# KiCad board MatrixBuddyPCB.kicad_pcb
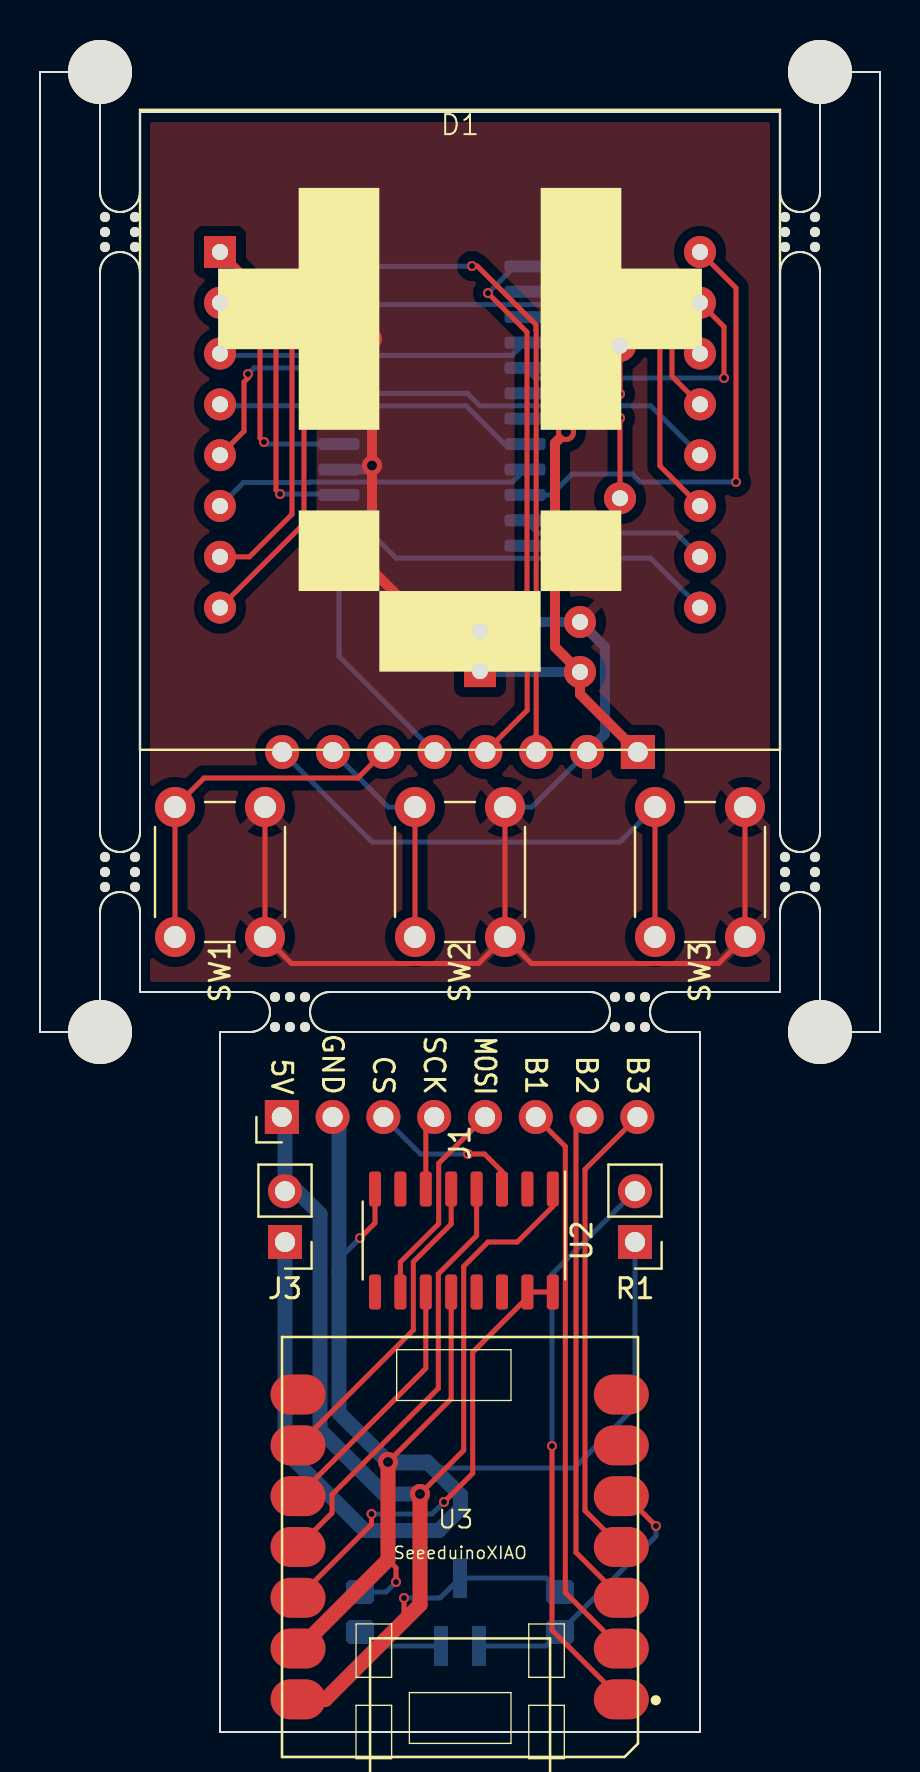
[diagram p0: board, top side]
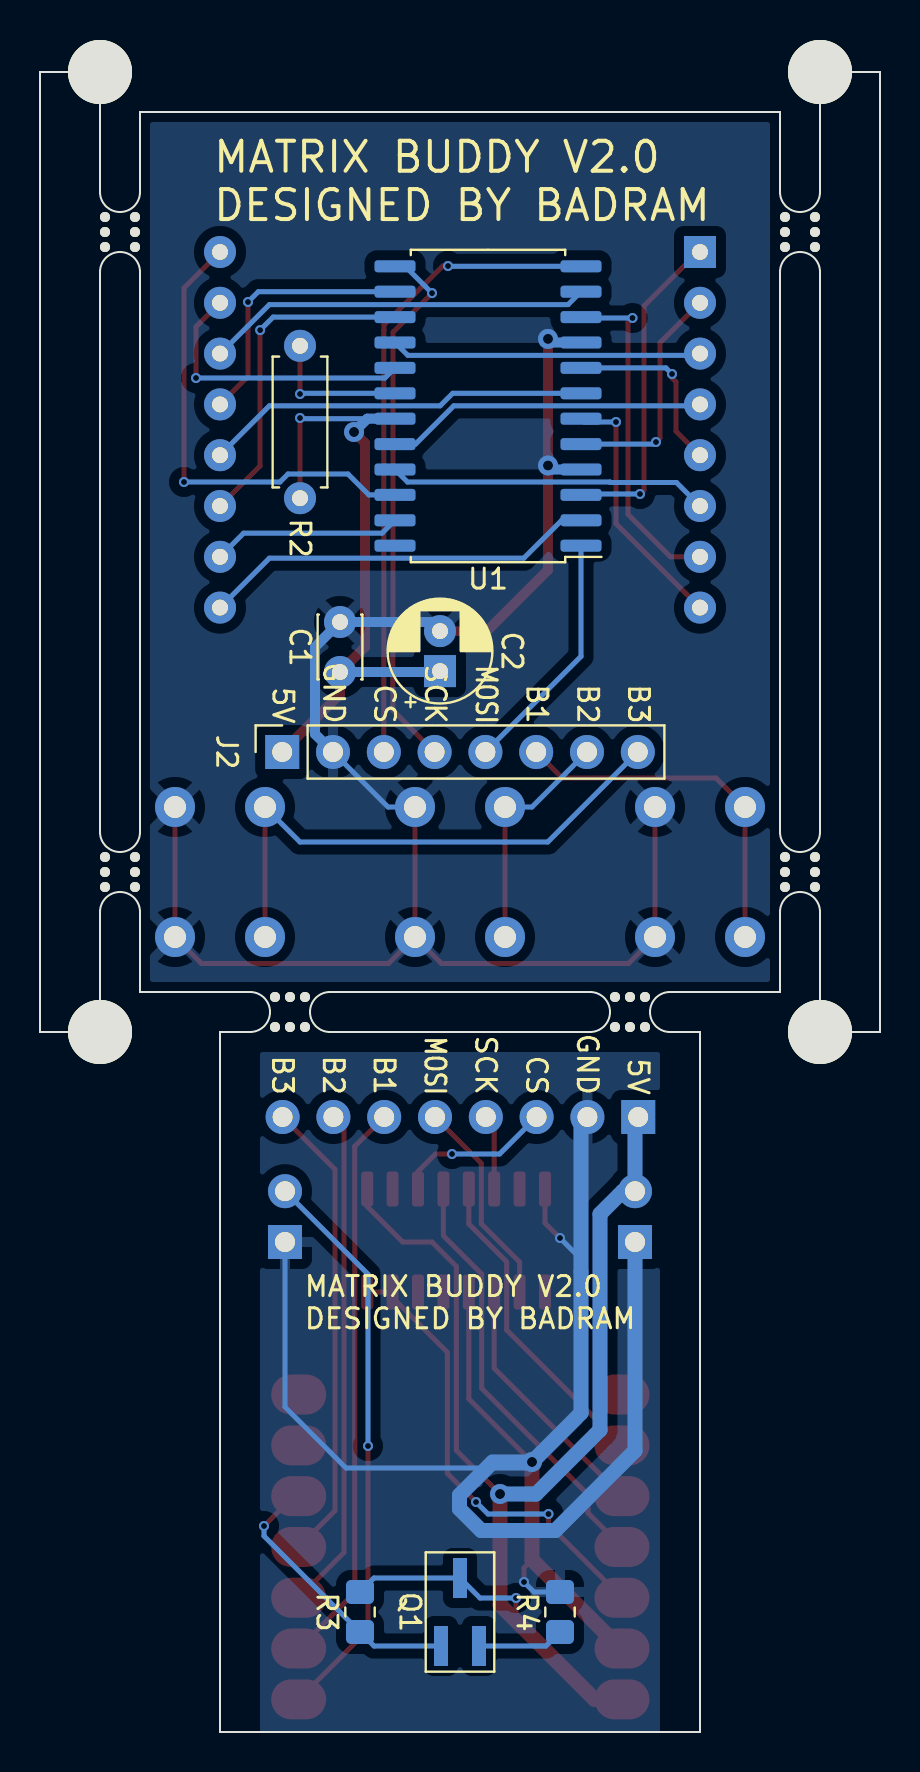
[diagram p1: board, bottom side, seen from below]

Outline 42 x 83 mm; copper layers: Top, Bottom. Coordinates in mm from the lower left corner of the outline.
Outline path: 0,83 0,35 3,35 3,41 arc(4,42) 5,41 5,37 10.5,37 arc(11.5,36) 10.5,35 9,35 9,0 33,0 33,35 31.5,35 arc(30.5,36) 31.5,37 37,37 37,41 arc(38,42) 39,41 39,35 42,35 42,83 39,83 39,77 arc(38,76) 37,77 37,81 5,81 5,77 arc(4,76) 3,77 3,83 0,83 ; 3,73 3,45 arc(4,44) 5,45 5,73 arc(4,74) 3,73 ; 14.5,35 arc(13.5,36) 14.5,37 27.5,37 arc(28.5,36) 27.5,35 14.5,35 ; 37,73 37,45 arc(38,44) 39,45 39,73 arc(38,74) 37,73
Stack: Top 0.035mm / dielectric 1.51mm FR4 er 4.5 / Bottom 0.035mm

## Placement (name value [footprint] x y rotation side)
C1  0.1uF  [C_Disc_D3.0mm_W2.0mm_P2.50mm]  27 53 90 bottom
C2  10uF  [CP_Radial_D5.0mm_P2.00mm]  22 53.04 90 bottom
D1  ~  [8x8 LED Matrix]  21 65.11 0 top
G***  -  [LOGO]  21 65.11 0 top
J1  Conn_01x08_Pin  [PinHeader_1x08_P2.54mm_Horizontal]  12.09 30.75 90 top
J2  Conn_01x08_Socket  [PinSocket_1x08_P2.54mm_Vertical]  21 49 90 bottom
J3  BATT Connector  [PinHeader_1x02_P2.54mm_Vertical]  12.25 24.5 180 top
mouse-bite-2mm-slot  VAL**  [mouse-bite-2mm-slot]  4 75 90 top
mouse-bite-2mm-slot#2  VAL**  [mouse-bite-2mm-slot]  12.5 36 180 top
mouse-bite-2mm-slot#3  VAL**  [mouse-bite-2mm-slot]  38 43 90 top
mouse-bite-2mm-slot#4  VAL**  [mouse-bite-2mm-slot]  4 43 90 top
mouse-bite-2mm-slot#5  VAL**  [mouse-bite-2mm-slot]  38 75 90 top
mouse-bite-2mm-slot#6  VAL**  [mouse-bite-2mm-slot]  29.5 36 180 top
Q1  Q_PMOS_GSD  [SOT-23W_Handsoldering]  21 6 90 bottom
R1  R_Photo  [PinHeader_1x02_P2.54mm_Vertical]  29.75 24.5 180 top
R2  47K  [R_Axial_DIN0207_L6.3mm_D2.5mm_P7.62mm_Horizontal]  29 61.69 90 bottom
R3  100k  [R_0805_2012Metric_Pad1.20x1.40mm_HandSolder]  26 6 90 bottom
R4  22  [R_0805_2012Metric_Pad1.20x1.40mm_HandSolder]  16 6 90 bottom
REF**  -  [MountingHole_3.2mm_M3]  3 35 0 top
REF**#2  -  [MountingHole_3.2mm_M3]  39 83 0 top
REF**#3  -  [Tab]  31 -0.5 90 top
REF**#4  -  [Tab]  11 -0.5 90 top
REF**#5  -  [Tab]  31 81.5 270 top
REF**#6  -  [Tab]  11 81.5 270 top
REF**#7  -  [MountingHole_3.2mm_M3]  39 35 0 top
REF**#8  -  [MountingHole_3.2mm_M3]  3 83 0 top
SW1  SW_Push  [SW_PUSH_6mm]  6.75 39.75 90 top
SW2  SW_Push  [SW_PUSH_6mm]  18.75 39.75 90 top
SW3  SW_Push  [SW_PUSH_6mm]  30.75 39.75 90 top
U1  MAX7221xWG  [SOIC-24W_7.5x15.4mm_P1.27mm]  19.6 66.3 0 bottom
U2  4104  [SO-16_3.9x9.9mm_P1.27mm]  21.19 24.58 270 top
U3  SeeeduinoXIAO  [Seeeduino XIAO-MOUDLE NO-BOTTOM-CONNECTIONS]  21 19.75 180 top

## Library data of the parts
C1 = -: Description: Unpolarized capacitor
C2 = -: Description: Polarized capacitor
J1 J2 = -: Description: Generic connector, single row, 01x08, script generated
J3 = -: Description: Generic connector, single row, 01x02, script generated
Q1 = -: Description: P-MOSFET transistor, gate/source/drain
R1 = -: Description: Photoresistor
R2-R4 = -: Description: Resistor, US symbol
SW1-SW3 = -: Description: Push button switch, generic, two pins
U1 = -: Description: Serially Interfaced, 8-Digit LED Display Driver, SOIC-24W

## Footprints (pads in the part's own frame, mm; a bottom-side part is the same pattern mirrored in y, then rotated)
8x8 LED Matrix
  rect 1.6x1.6 hole 0.8: 1(-12,8.89)
  oval 1.6x1.6 hole 0.8: 2(-12,6.35) 3(-12,3.81) 4(-12,1.27) 5(-12,-1.27) 6(-12,-3.81) 7(-12,-6.35) 8(-12,-8.89) 9(12,-8.89) 10(12,-6.35) 11(12,-3.81) 12(12,-1.27) 13(12,1.27) 14(12,3.81) 15(12,6.35) 16(12,8.89)
C_Disc_D3.0mm_W2.0mm_P2.50mm
  round 1.6 hole 0.8: 1(0,0) 2(2.5,0)
CP_Radial_D5.0mm_P2.00mm
  rect 1.6x1.6 hole 0.8: 1(0,0)
  round 1.6 hole 0.8: 2(2,0)
MountingHole_3.2mm_M3
  round 3.2 hole 3.2 unplated: (0,0)
mouse-bite-2mm-slot
  round 0.5 hole 0.5 unplated: (-0.75,0.75) (-0.75,-0.75) (0,0.75) (0,-0.75) (0.75,0.75) (0.75,-0.75)
PinHeader_1x02_P2.54mm_Vertical
  rect 1.7x1.7 hole 1: 1(0,0)
  oval 1.7x1.7 hole 1: 2(0,-2.54)
PinHeader_1x08_P2.54mm_Horizontal
  rect 1.7x1.7 hole 1: 1(0,0)
  oval 1.7x1.7 hole 1: 2(0,-2.54) 3(0,-5.08) 4(0,-7.62) 5(0,-10.16) 6(0,-12.7) 7(0,-15.24) 8(0,-17.78)
PinSocket_1x08_P2.54mm_Vertical
  rect 1.7x1.7 hole 1: 1(0,8.89)
  oval 1.7x1.7 hole 1: 2(0,6.35) 3(0,3.81) 4(0,1.27) 5(0,-1.27) 6(0,-3.81) 7(0,-6.35) 8(0,-8.89)
R_0805_2012Metric_Pad1.20x1.40mm_HandSolder
  rrect 1.2x1.4 smd: 1(-1,0) 2(1,0)
R_Axial_DIN0207_L6.3mm_D2.5mm_P7.62mm_Horizontal
  round 1.6 hole 0.8: 1(0,0)
  oval 1.6x1.6 hole 0.8: 2(7.62,0)
Seeeduino XIAO-MOUDLE NO-BOTTOM-CONNECTIONS
  oval 2.748x1.999 smd: 1(-8.066,18.118) 2(-8.066,15.578) 3(-8.066,13.038) 4(-8.066,10.498) 5(-8.066,7.958) 6(-8.066,5.418) 7(-8.066,2.878) 8(8.099,2.878) 9(8.099,5.418) 10(8.099,7.958) 11(8.099,10.498) 12(8.099,13.038) 13(8.099,15.578) 14(8.099,18.118)
SO-16_3.9x9.9mm_P1.27mm
  rrect 1.75x0.6 smd: 1(-2.575,4.445) 2(-2.575,3.175) 3(-2.575,1.905) 4(-2.575,0.635) 5(-2.575,-0.635) 6(-2.575,-1.905) 7(-2.575,-3.175) 8(-2.575,-4.445) 9(2.575,-4.445) 10(2.575,-3.175) 11(2.575,-1.905) 12(2.575,-0.635) 13(2.575,0.635) 14(2.575,1.905) 15(2.575,3.175) 16(2.575,4.445)
SOIC-24W_7.5x15.4mm_P1.27mm
  rrect 2.05x0.6 smd: 1(-4.65,6.985) 2(-4.65,5.715) 3(-4.65,4.445) 4(-4.65,3.175) 5(-4.65,1.905) 6(-4.65,0.635) 7(-4.65,-0.635) 8(-4.65,-1.905) 9(-4.65,-3.175) 10(-4.65,-4.445) 11(-4.65,-5.715) 12(-4.65,-6.985) 13(4.65,-6.985) 14(4.65,-5.715) 15(4.65,-4.445) 16(4.65,-3.175) 17(4.65,-1.905) 18(4.65,-0.635) 19(4.65,0.635) 20(4.65,1.905) 21(4.65,3.175) 22(4.65,4.445) 23(4.65,5.715) 24(4.65,6.985)
SOT-23W_Handsoldering
  rect 2x0.7 smd: 1(-1.7,0.95) 2(-1.7,-0.95) 3(1.7,0)
SW_PUSH_6mm
  round 2 hole 1.1: 1(0,0) 1(6.5,0) 2(0,-4.5) 2(6.5,-4.5)

## Nets
+5V: C1.1 C2.1 J2.1 R2.1 U1.19
/3V3: U2.15 U2.16 U3.12
/5V_B2: J1.1 J3.2 Q1.3 R3.2 U2.1 U3.14
/GND_B2: J1.2 J3.1 R1.1 R4.2 U2.8 U2.12 U3.13
/BUTT1_B2: J1.6 U3.2
/BUTT2_B2: J1.7 U3.3
/BUTT3_B2: J1.8 U3.4
/CS_5V_B2: J1.3 U2.3
/CS_B2: U2.11 U3.10
/MOSI_5V_B2: J1.5 U2.10
/MOSI_B2: U2.4 U3.11
/PHOTO_SENSE: R1.2 U3.1
/SCK_5V_B2: J1.4 U2.6
/SCK_B2: U2.5 U3.9
COL1: D1.13 U1.14
COL2: D1.3 U1.16
COL3: D1.4 U1.20
COL4: D1.10 U1.23
COL5: D1.6 U1.21
COL6: D1.11 U1.15
COL7: D1.15 U1.17
COL8: D1.16 U1.22
Earth: C1.2 C2.2 J2.2 SW1.2 SW2.2 SW3.2 U1.4 U1.9
ROW1: D1.9 U1.2
ROW2: D1.14 U1.11
ROW3: D1.8 U1.6
ROW4: D1.12 U1.7
ROW5: D1.1 U1.3
ROW6: D1.7 U1.10
ROW7: D1.2 U1.5
ROW8: D1.5 U1.8
Net-(J2-Pin_3): J2.3 U1.12
Net-(J2-Pin_4): J2.4 U1.13
Net-(J2-Pin_5): J2.5 U1.1
Net-(J2-Pin_6): J2.6 SW1.1
Net-(J2-Pin_7): J2.7 SW2.1
Net-(J2-Pin_8): J2.8 SW3.1
Net-(Q1-G): Q1.1 R3.1 U3.5
Net-(Q1-S): Q1.2 R4.1
Net-(U1-ISET): R2.2 U1.18

Pads without a net: U1 24; U2 2 7 9 13 14; U3 6 7 8

## Via types
v1: diameter 1, hole 0.5, Top to Bottom, 5 vias
v2: diameter 0.5, hole 0.3, Top to Bottom, 21 vias

## Routing (per net, layer and track width the routed paths; a pad name or vN(x,y) marks a point on that pad's centre or on a via; arc(x,y) is an arc through that point)
+5V: length 34.1
  Top w0.25: R2.1 v2(29,65.7)
  Top w0.5: v1(26.3,65) 25.75,64.45 25.75,54.25 C1.1 27,51.89 J2.1
  Bottom w0.25: U1.19 28.97,65.67 v2(29,65.7)
  Bottom w0.5: C1.1 22.04,53 C2.1 ; U1.19 25.64,65.67 v1(26.3,65)
/3V3: length 23.1
  Top w0.25: v2(16.58,10.9) 16.58,10.39 U3.12 ; v2(20.2,11.5) 21.64,12.94 21.64,18.99 24.37,21.72 U2.15 U2.16
  Bottom w0.25: v2(20.2,11.5) 19.6,10.9 v2(16.58,10.9)
/5V_B2: length 65.4
  Top w0.25: v1(19,11.9) 21.19,14.09 21.19,23.28 22.4,24.5 23.86,24.5 25.64,26.28 U2.1 ; v2(18.2,6.7) 18.2,5.56
  Top w0.5: 12.25,30.59 J1.1
  Top w0.75: U3.14 14.27,1.63 19,6.36 v1(19,11.9)
  Bottom w0.25: R3.2 25.3,7.7 Q1.3 20,6.7 v2(18.2,6.7)
  Bottom w0.75: J1.1 12.25,30.59 J3.2 12.86,27.04 14,25.9 14,15.1 17.2,11.9 v1(19,11.9)
/GND_B2: length 95.3
  Top w0.25: U2.12 20.56,16.66 v1(17.4,13.5) ; 17.4,8.61 17.8,8.21 v2(17.8,7.5) ; v2(16,24.7) 16.75,25.45 U2.8
  Top w0.75: U3.13 12.96,4.17 17.4,8.61 v1(17.4,13.5)
  Bottom w0.25: v2(17.8,7.5) 17.3,7 R4.2 ; v1(17.4,13.5) 17.7,13.2 26.7,13.2 29.75,16.25 R1.1 ; v2(16,24.7) 14.95,23.65
  Bottom w0.75: J3.1 12.25,14.06 16.23,10.07 19.94,10.07 21.03,11.16 21.03,11.84 19.37,13.5 v1(17.4,13.5) 14.95,15.95 14.95,30.43 J1.2
/BUTT1_B2: length 28.3
  Top w0.25: J1.6 26.27,29.28 26.27,6.97 U3.2
/BUTT2_B2: length 25.2
  Top w0.25: U3.3 26.8,8.98 26.8,30.22 J1.7
/BUTT3_B2: length 23.3
  Top w0.25: U3.4 27.25,11.07 27.25,28.13 J1.8
/CS_5V_B2: length 7.9
  Top w0.25: U2.3 23.1,28.03 22.22,28.9 v2(21.4,28.9)
  Bottom w0.25: v2(21.4,28.9) 19.02,28.9 J1.3
/CS_B2: length 12.9
  Top w0.25: U2.11 19.29,18.18 U3.10
/MOSI_5V_B2: length 10.5
  Top w0.25: U2.10 18.02,23.5 19.94,25.41 19.94,28.44 J1.5
/MOSI_B2: length 21.6
  Top w0.25: U2.4 21.83,24.82 19.92,22.9 19.92,17.18 14.6,11.87 14.6,10.95 U3.11
/PHOTO_SENSE: length 28.6
  Top w0.25: U3.1 25.6,5.1 v2(25.6,14.3)
  Bottom w0.25: R1.2 25.6,22.89 v2(25.6,14.3)
/SCK_5V_B2: length 3.8
  Top w0.25: U2.6 19.29,30.33 J1.4
/SCK_B2: length 16
  Top w0.25: U2.5 20.56,25.4 18.67,23.51 18.67,20.1 U3.9
COL1: length 13.3
  Top w0.25: v2(31.6,71.5) 31.6,67.78 D1.13
  Bottom w0.25: v2(31.6,71.5) 31.08,72.02 U1.14
COL2: length 15.6
  Bottom w0.25: U1.16 23.61,68.83 9.09,68.83 D1.3
COL3: length 16.1
  Bottom w0.25: U1.20 23.22,64.39 21.31,66.31 9.07,66.31 D1.4
COL4: length 9.5
  Bottom w0.25: U1.23 24.89,59.94 31.82,59.94 D1.10
COL5: length 16
  Bottom w0.25: D1.6 10.17,62.47 13.47,62.47 13.5,62.5 23.62,62.5 U1.21
COL6: length 16.6
  Top w0.25: v2(30.99,70.09) 30.99,63.31 D1.11
  Bottom w0.25: U1.15 30.34,70.75 v2(30.99,70.09)
COL7: length 14.4
  Top w0.25: D1.15 34.2,70.26 v2(34.2,67.7)
  Bottom w0.25: U1.17 24.75,67.7 v2(34.2,67.7)
COL8: length 23.4
  Top w0.25: D1.16 34.8,72.2 v2(34.8,62.5)
  Bottom w0.25: v2(34.8,62.5) 30,62.5 29.6,62.9 26.6,62.9 25.56,61.86 24.25,61.86
Earth: length 85.2
  Top w0.25: SW1.2 SW1.2 12.58,38.42 21.92,38.42 SW2.2 ; SW2.2 SW2.2 ; SW2.2 24.58,38.42 33.92,38.42 SW3.2 SW3.2
  Top w0.5: v1(16.6,69.65) v1(16.6,63.32) 16.6,58.1 19.66,55.04 C2.2
  Bottom w0.25: SW2.2 24.6,46.25 J2.2
  Bottom w0.5: v1(16.6,69.65) 16.42,69.47 U1.9 ; C2.2 22.46,55.5 C1.2 28.25,54.25 28.25,49.9 J2.2 ; v1(16.6,63.32) 16.4,63.12 U1.4
ROW1: length 19.9
  Bottom w0.25: U1.2 15.92,60.58 17.81,58.69 30.53,58.69 D1.9
ROW2: length 19.3
  Bottom w0.25: D1.14 32.98,68.92 30.53,71.37 15.59,71.37 U1.11
ROW3: length 12.8
  Top w0.25: v2(13.2,65.5) 13.2,60.42 D1.8
  Bottom w0.25: v2(13.2,65.5) 14.78,65.5 U1.6
ROW4: length 19.3
  Bottom w0.25: D1.12 30.53,66.31 21.99,66.31 21.36,66.94 U1.7
ROW5: length 16.4
  Top w0.25: v2(12,61.9) 11.8,62.1 11.8,71.3 9.1,74 D1.1
  Bottom w0.25: 14.95,61.86 14.91,61.9 v2(12,61.9)
ROW6: length 17
  Top w0.25: D1.7 10.47,58.76 12.6,60.89 12.6,70.47 v2(12.37,70.7)
  Bottom w0.25: U1.10 14.91,70.7 v2(12.37,70.7)
ROW7: length 11.7
  Top w0.25: D1.2 11,69.46 11,64.7 v2(11.2,64.5)
  Bottom w0.25: U1.5 11.31,64.39 v2(11.2,64.5)
ROW8: length 9.3
  Top w0.25: v2(10.4,67.9) 10.4,67.7 10.2,67.5 10.2,65.04 D1.5
  Bottom w0.25: U1.8 10.7,68.2 v2(10.4,67.9)
Net-(J2-Pin_3): length 32.4
  Top w0.25: J2.3 24.81,70.09 24.8,70.1 24.8,70.36 21.86,73.3 v2(21.6,73.3)
  Bottom w0.25: U1.12 21.58,73.28 v2(21.6,73.3)
Net-(J2-Pin_4): length 27
  Top w0.25: J2.4 24.36,51.09 24.36,55.7 24.35,55.71 24.35,69.99 v2(22.4,71.94)
  Bottom w0.25: U1.13 23.74,73.28 v2(22.4,71.94)
Net-(J2-Pin_5): length 12.3
  Bottom w0.25: J2.5 14.95,53.78 U1.1
Net-(J2-Pin_6): length 18.1
  Top w0.25: J2.6 15.89,47.7 8.2,47.7 SW1.1 SW1.1
Net-(J2-Pin_7): length 11.7
  Top w0.25: SW2.1 SW2.1
  Bottom w0.25: SW2.1 17.4,46.25 J2.7
Net-(J2-Pin_8): length 27.7
  Top w0.25: SW3.1 SW3.1
  Bottom w0.25: SW3.1 29,44.5 16.61,44.5 J2.8
Net-(Q1-G): length 14
  Top w0.25: v2(30.8,10.3) 29.31,11.79 U3.5
  Bottom w0.25: Q1.1 25.3,4.3 R3.1 30.8,9.8 v2(30.8,10.3)
Net-(Q1-S): length 4.3
  Bottom w0.25: Q1.2 16.7,4.3 R4.1
Net-(U1-ISET): length 7.2
  Top w0.25: R2.2 v2(29,66.9)
  Bottom w0.25: U1.18 28.97,66.94 v2(29,66.9)

## Copper pours and planes (outline as drawn; the poured copper is in the pictures)
/GND_B2 on Bottom: 11,34 31,34 31,-1.5 11,-1.5
Earth on Top, Bottom: 5.5,80.5 36.5,80.5 36.5,37.5 5.5,37.5

## Text on the board
B.Silkscreen: MOSI | B3 | B2 | GND | B1 | CS | SCK | MATRIX BUDDY V2.0 / DESIGNED BY BADRAM | 5V
F.Silkscreen: MOSI | 5V | GND | CS | SCK | B1 | B2 | B3
